# KiCad board Nodes.kicad_pcb (continued)
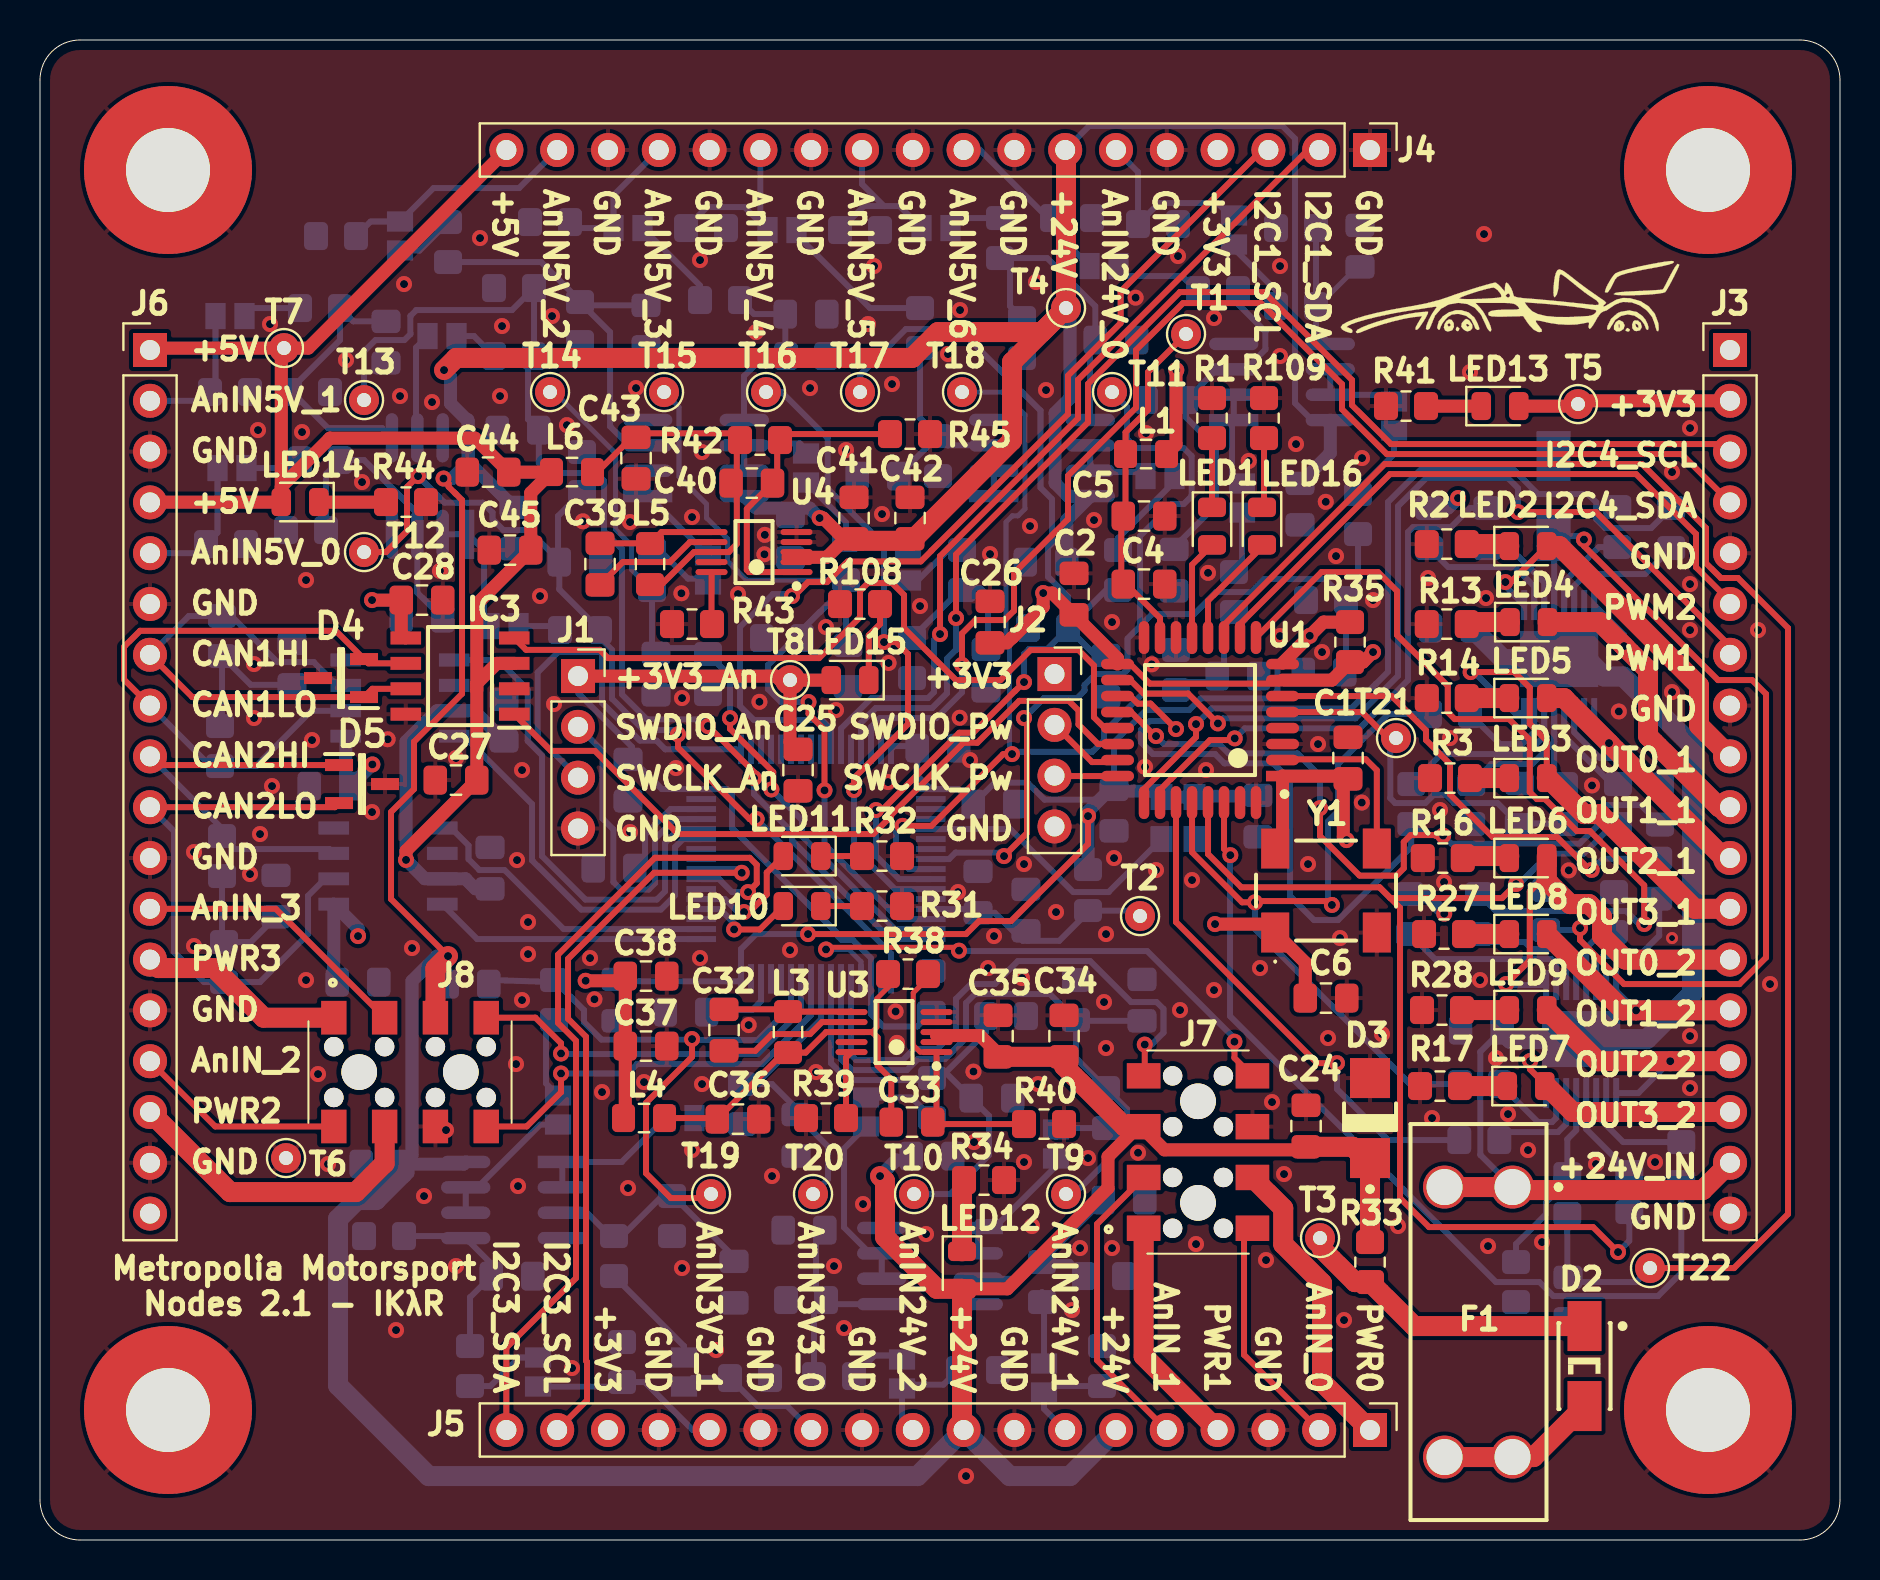
[diagram p0: board, top side]
## Placement (name value [footprint] x y rotation side) (continued)
R86  CRCW08050000ZSTA  [R_0805_2012Metric_Pad1.20x1.40mm_HandSolder]  48 65.1 270 bottom
R87  CRCW0805680RFKEA  [R_0805_2012Metric_Pad1.20x1.40mm_HandSolder]  44.9 54.2 270 bottom
R88  ERJ-6ENF1741V  [R_0805_2012Metric_Pad1.20x1.40mm_HandSolder]  46.1 48.5 270 bottom
R89  CRCW0805680RFKEA  [R_0805_2012Metric_Pad1.20x1.40mm_HandSolder]  49.1 60.1 270 bottom
R90  ERJ-6ENF1741V  [R_0805_2012Metric_Pad1.20x1.40mm_HandSolder]  53.9 48.5 270 bottom
R91  CRCW080510M0FKEA  [R_0805_2012Metric_Pad1.20x1.40mm_HandSolder]  33.3 65.6 0 bottom
R92  CRCW080510M0FKEA  [R_0805_2012Metric_Pad1.20x1.40mm_HandSolder]  41 65.5 0 bottom
R93  ERJ-6ENF3241V  [R_0805_2012Metric_Pad1.20x1.40mm_HandSolder]  43.6 44.1 270 bottom
R94  ERJ-6ENF3241V  [R_0805_2012Metric_Pad1.20x1.40mm_HandSolder]  50.4 45.6 180 bottom
R95  CRCW08050000ZSTA  [R_0805_2012Metric_Pad1.20x1.40mm_HandSolder]  58.9 62.5 0 bottom
R96  ERJ-6ENF1741V  [R_0805_2012Metric_Pad1.20x1.40mm_HandSolder]  59.7 47.4 270 bottom
R97  CRCW080510M0FKEA  [R_0805_2012Metric_Pad1.20x1.40mm_HandSolder]  51.6 66.1 0 bottom
R98  CRCW0805680RFKEA  [R_0805_2012Metric_Pad1.20x1.40mm_HandSolder]  56.3 57 180 bottom
R99  ERJ-6ENF3241V  [R_0805_2012Metric_Pad1.20x1.40mm_HandSolder]  56.8 43.5 90 bottom
R100  CRCW08050000ZSTA  [R_0805_2012Metric_Pad1.20x1.40mm_HandSolder]  28.7 14.2 90 bottom
R101  CRCW08050000ZSTA  [R_0805_2012Metric_Pad1.20x1.40mm_HandSolder]  21.5 8.7 90 bottom
R102  ESR10EZPJ102  [R_0805_2012Metric_Pad1.20x1.40mm_HandSolder]  25.7 27 90 bottom
R103  CRCW0805680RFKEA  [R_0805_2012Metric_Pad1.20x1.40mm_HandSolder]  31.6 16.2 270 bottom
R104  CRCW0805680RFKEA  [R_0805_2012Metric_Pad1.20x1.40mm_HandSolder]  17.2 15.2 180 bottom
R105  ESR10EZPJ102  [R_0805_2012Metric_Pad1.20x1.40mm_HandSolder]  35.1 21.8 90 bottom
R106  CRCW080510M0FKEA  [R_0805_2012Metric_Pad1.20x1.40mm_HandSolder]  35.5 8.1 0 bottom
R107  CRCW080510M0FKEA  [R_0805_2012Metric_Pad1.20x1.40mm_HandSolder]  29.1 8.9 90 bottom
R108  ESR10EZPJ301  [R_0805_2012Metric_Pad1.20x1.40mm_HandSolder]  41 46.8 180 top
R109  ESR10EZPJ301  [R_0805_2012Metric_Pad1.20x1.40mm_HandSolder]  61.2 56.1 90 top
T1  Conn_01x01  [TestPoint_THTPad_D1.5mm_Drill0.7mm]  57.3 60.3 0 top
T2  Conn_01x01  [TestPoint_THTPad_D1.5mm_Drill0.7mm]  55 31.2 0 top
T3  Conn_01x01  [TestPoint_THTPad_D1.5mm_Drill0.7mm]  64 15.1 180 top
T4  Conn_01x01  [TestPoint_THTPad_D1.5mm_Drill0.7mm]  51.3 61.6 180 top
T5  Conn_01x01  [TestPoint_THTPad_D1.5mm_Drill0.7mm]  76.9 56.8 0 top
T6  Conn_01x01  [TestPoint_THTPad_D1.5mm_Drill0.7mm]  12.3 19.1 180 top
T7  Conn_01x01  [TestPoint_THTPad_D1.5mm_Drill0.7mm]  12.2 59.6 0 top
T8  Conn_01x01  [TestPoint_THTPad_D1.5mm_Drill0.7mm]  37.5 43 0 top
T9  Conn_01x01  [TestPoint_THTPad_D1.5mm_Drill0.7mm]  51.3 17.3 0 top
T10  Conn_01x01  [TestPoint_THTPad_D1.5mm_Drill0.7mm]  43.7 17.3 0 top
T11  Conn_01x01  [TestPoint_THTPad_D1.5mm_Drill0.7mm]  53.6 57.4 0 top
T12  Conn_01x01  [TestPoint_THTPad_D1.5mm_Drill0.7mm]  16.2 49.4 90 top
T13  Conn_01x01  [TestPoint_THTPad_D1.5mm_Drill0.7mm]  16.2 57 90 top
T14  Conn_01x01  [TestPoint_THTPad_D1.5mm_Drill0.7mm]  25.5 57.4 180 top
T15  Conn_01x01  [TestPoint_THTPad_D1.5mm_Drill0.7mm]  31.2 57.4 180 top
T16  Conn_01x01  [TestPoint_THTPad_D1.5mm_Drill0.7mm]  36.3 57.4 0 top
T17  Conn_01x01  [TestPoint_THTPad_D1.5mm_Drill0.7mm]  41 57.4 0 top
T18  Conn_01x01  [TestPoint_THTPad_D1.5mm_Drill0.7mm]  46.1 57.4 0 top
T19  Conn_01x01  [TestPoint_THTPad_D1.5mm_Drill0.7mm]  33.55 17.3 0 top
T20  Conn_01x01  [TestPoint_THTPad_D1.5mm_Drill0.7mm]  38.65 17.3 180 top
T21  Conn_01x01  [TestPoint_THTPad_D1.5mm_Drill0.7mm]  67.8 40.1 0 top
T22  Conn_01x01  [TestPoint_THTPad_D1.5mm_Drill0.7mm]  80.5 13.6 0 top
U1  STM32G431KBT6  [FP-LQFP32-5V-IPC_B]  58 41 180 top
U2  STM32H7B0RBT6  [QFP50P1200X1200X160-64N]  38.8 33.8 180 bottom
U3  LT3970EMS#TRPBF  [LT-MS-10_N]  42.7 25.4 180 top
U4  LT3970EMS#TRPBF  [LT-MS-10_N]  35.7 49.4 180 top
U5  LM358BAIDR  [FP-D0008A-IPC_A]  44.5 13.7 180 bottom
U6  LM358BAIDR  [FP-D0008A-IPC_A]  62.1 57.9 0 bottom
U7  LM358BAIDR  [FP-D0008A-IPC_A]  19.5 52.7 90 bottom
U8  LM358BAIDR  [FP-D0008A-IPC_A]  32.8 54.1 0 bottom
U9  LM358BAIDR  [FP-D0008A-IPC_A]  50.1 54.1 0 bottom
U10  LM358BAIDR  [FP-D0008A-IPC_A]  23.7 17 180 bottom
Y1  ECS-7050MV-080-BN-TR  [ECS7050MV080BNTR]  64.3 32.47 0 top
Y2  ASE-25.000MHZ-LC-T  [FP-ASE-MFG]  56.9 36.1 270 bottom

## Library data of the parts
C1 C2 C6-C10 C12-C15 C17 C20 C25-C28 C47 C48 C52 C53 C56 C63 C68 C73 C78 C81 = -: ALTIUM_VALUE: 100nF; CAPACITOR TYPE: Ceramic; CASE/PACKAGE: 0805; DIELECTRIC MATERIAL: Ceramic; HEIGHT: 0.94mm; JESD-609 CODE: e3; LENGTH: 2.01mm; MAX OPERATING TEMPERATURE: 125°C; MIN OPERATING TEMPERATURE: -55°C; MOUNTING TECHNOLOGY: Surface Mount; MULTILAYER: Yes; PACKAGE SHAPE: Rectangular; PACKAGE STYLE: SMTMeter; PACKAGING: Tape and Reel; PINS: 2; RATED DC VOLTAGE (URDC): 50V; REACH SVHC COMPLIANT: Yes; ROHS COMPLIANT: Yes; TEMPERATURE CHARACTERISTICS CODE: X7R; TERMINAL FINISH: Nickel; TERMINATION: Wraparound; TOLERANCE  (FILL IN AS +-): 10%; TOLERANCE (FILL IN AS +-): 10%; WIDTH: 1.25mm; ki_fp_filters: C_*
C4 C22 C57-C62 C64-C67 C69-C72 C74-C77 C79 C80 C82-C85 = -: ALTIUM_VALUE: 10nF; CAPACITOR TYPE: Ceramic; CASE/PACKAGE: 0805; DIELECTRIC MATERIAL: Ceramic; HEIGHT: 0.78mm; JESD-609 CODE: e3; LENGTH: 2mm; MAX OPERATING TEMPERATURE: 125°C; MIN OPERATING TEMPERATURE: -55°C; MOUNTING TECHNOLOGY: Surface Mount; MULTILAYER: Yes; PACKAGE SHAPE: Rectangular; PACKAGE STYLE: SMTMeter; PACKAGING: Tape and Reel; PINS: 2; RATED DC VOLTAGE (URDC): 250V; REACH SVHC COMPLIANT: Yes; REFERENCE STANDARD: AEC-Q200; ROHS COMPLIANT: Yes; TEMPERATURE CHARACTERISTICS CODE: X7R; TERMINAL FINISH: Nickel; TERMINATION: Wraparound; TOLERANCE  (FILL IN AS +-): 10%; TOLERANCE (FILL IN AS +-): 10%; WIDTH: 1.25mm; ki_fp_filters: C_*
C5 C16 C21 = -: ALTIUM_VALUE: 1µF; CAPACITOR TYPE: Ceramic; CASE/PACKAGE: 0805; DIELECTRIC MATERIAL: Ceramic; HEIGHT: 1.4mm; JESD-609 CODE: e3; LENGTH: 2.01mm; MAX OPERATING TEMPERATURE: 125°C; MIN OPERATING TEMPERATURE: -55°C; MOUNTING TECHNOLOGY: Surface Mount; MULTILAYER: Yes; PACKAGE SHAPE: Rectangular; PACKAGE STYLE: SMTMeter; PACKAGING: Tape and Reel; PINS: 2; RATED DC VOLTAGE (URDC): 25V; REACH SVHC COMPLIANT: Yes; REFERENCE STANDARD: AEC-Q200; ROHS COMPLIANT: Yes; TEMPERATURE CHARACTERISTICS CODE: X7R; TERMINAL FINISH: Nickel; TERMINATION: Wraparound; TOLERANCE  (FILL IN AS +-): 10%; TOLERANCE (FILL IN AS +-): 10%; WIDTH: 1.25mm; ki_fp_filters: C_*
C18 C23 C35 C37 C42 C44 = -: ALTIUM_VALUE: 2.2uF; ki_fp_filters: C_*
C24 C34 C41 = -: ALTIUM_VALUE: 4.7µF; CAPACITOR TYPE: Ceramic; CASE/PACKAGE: 0805; DIELECTRIC MATERIAL: Ceramic; JESD-609 CODE: e3; MAX OPERATING TEMPERATURE: 125°C; MIN OPERATING TEMPERATURE: -55°C; MOUNTING TECHNOLOGY: Surface Mount; MULTILAYER: Yes; PACKAGE SHAPE: Rectangular; PACKAGING: Tape and Reel; PINS: 2; RATED DC VOLTAGE (URDC): 50V; REACH SVHC COMPLIANT: Yes; ROHS COMPLIANT: Yes; TEMPERATURE CHARACTERISTICS CODE: X7R; TERMINAL FINISH: Nickel; TERMINATION: Wraparound; TOLERANCE  (FILL IN AS +-): 10%; TOLERANCE (FILL IN AS +-): 10%; ki_fp_filters: C_*
C32 C39 = -: ALTIUM_VALUE: 220nF; CAPACITOR TYPE: Ceramic; DIELECTRIC MATERIAL: Ceramic; JESD-609 CODE: e3; PINS: 2; REACH SVHC COMPLIANT: Yes; ROHS COMPLIANT: Yes; TERMINAL FINISH: Nickel; ki_fp_filters: C_*
C33 C40 = -: ALTIUM_VALUE: 22 pF; AUTOMOTIVE: No; CAPACITANCE: 22 pF; CATEGORY: Cap; COMPONENTLINK2DESCRIPTION: Datasheet; COMPONENTLINK2URL: https://content.kemet.com/datasheets/KEM_C1003_C0G_SMD.pdf; DEVICE CLASS L1: Passive Components; DEVICE CLASS L2: Capacitors; DEVICE CLASS L3: Ceramic Capacitors; DIGIKEY DESCRIPTION: CAP CER 22PF 25V 10% NP0 0805; HEIGHT: 0.88mm; IPC LAND PATTERN NAME: CAPC200125X78; LEAD FREE: Yes; MANUFACTURER: KEMET; MATERIAL: Ceramic; MOUSER DESCRIPTION: Multilayer Ceramic Capacitors MLCC - SMD/SMT 25volts 22pF C0G 10%; OCTOPART: https://octopart.com/c0805c220k3gactu-kemet-12580612; PACKAGE: C0805C-DN; ROHS: TRUE; TEMPERATURE: -55°C to +125°C; TEMPERATURE CHARACTERISTIC: C0G; TEMPERATURE COEFFICIENT: 30ppm/°C; TEMPERATURE RANGE HIGH: +125°C; TEMPERATURE RANGE LOW: -55°C; TOLERANCE: 0.1; VOLTAGE RATING: 25 V; ki_fp_filters: C_*
C36 C38 C43 C45 = -: CAPACITANCE: 22uF; CASE CODE (IMPERIAL): 0805; CASE CODE (METRIC): 2012; CASE/PACKAGE: 0805; DEPTH: 1.25mm; DIELECTRIC: X5R; HEIGHT: 1.25mm; LEAD FREE: Lead Free; LENGTH: 2mm; MATERIAL: Ceramic; MAX OPERATING TEMPERATURE: 85°C; MIN OPERATING TEMPERATURE: -55°C; MOUNT: Surface Mount; PACKAGE QUANTITY: 3000; PACKAGING: Tape and Reel; REACH SVHC: No SVHC; RESISTOR TYPE: Ceramic; TERMINATION: SMD/SMT; THICKNESS: 0.057inch; TOLERANCE: 20%; VOLTAGE: 25V; VOLTAGE RATING: 25V; VOLTAGE RATING (DC): 25V; WEIGHT: 0.000335oz; WIDTH: 1.25mm; ki_fp_filters: C_*
C49 C54 = -: ALTIUM_VALUE: 4.7nF; CAPACITOR TYPE: Ceramic; CASE/PACKAGE: 0805; DIELECTRIC MATERIAL: Ceramic; HEIGHT: 0.85mm; LENGTH: 2mm; MAX OPERATING TEMPERATURE: 125°C; MIN OPERATING TEMPERATURE: -55°C; MOUNTING TECHNOLOGY: Surface Mount; MULTILAYER: Yes; PACKAGE STYLE: SMTMeter; PACKAGING: Tape and Reel; PINS: 2; RATED DC VOLTAGE (URDC): 500V; REACH SVHC COMPLIANT: Yes; REFERENCE STANDARD: AEC-Q200; ROHS COMPLIANT: Yes; TEMPERATURE CHARACTERISTICS CODE: X7R; TERMINATION: Wraparound; TOLERANCE  (FILL IN AS +-): 10%; TOLERANCE (FILL IN AS +-): 10%; WIDTH: 1.25mm; ki_fp_filters: C_*
D1 D2 = -: ADDITIONAL FEATURE: HIGH RELIABILITY; DIODE ELEMENT MATERIAL: SILICON; DIODE TYPE: RECTIFIER; FORWARD VOLTAGE: 1.1V; JESD-30 CODE: R-PDSO-C2; JESD-609 CODE: e3; MAX OPERATING TEMPERATURE: 150°C; MAX OUTPUT CURRENT: 1A; MIN OPERATING TEMPERATURE: -65°C; MOISTURE SENSITIVITY LEVEL: 1; NON-REP PK FORWARD CURRENT-MAX: 30A; NUMBER OF ELEMENTS: 1; PACKAGE BODY MATERIAL: Plastic; PACKAGE SHAPE: Rectangular; PACKAGE STYLE: SMALL OUTLINEMeter; PEAK REFLOW TEMPERATURE (CEL): 260°C; PINS: 2; QUALIFICATION STATUS: Not Qualified; REACH SVHC COMPLIANT: No; REP PK REVERSE VOLTAGE-MAX: 1kV; REVERSE RECOVERY TIME-MAX: 3us; ROHS COMPLIANT: Yes; SURFACE MOUNT: Yes; TERMINAL FINISH: Tin; TERMINAL FORM: C BEND; TERMINAL POSITION: DUAL; TIME @ PEAK REFLOW TEMPERATURE-MAX (S): 40s; ki_fp_filters: DIOD-S1M-13-F-SMA-2_V
D3 = -: COMPONENTLINK1DESCRIPTION: Manufacturer URL; COMPONENTLINK1URL: http://www.onsemi.com/; COMPONENTLINK2DESCRIPTION: Datasheet; COMPONENTLINK2URL: http://www.onsemi.com/pub_link/Collateral/1SMA5913BT3-D.PDF; COMPONENTLINK3DESCRIPTION: Package Specification; COMPONENTLINK3URL: http://www.onsemi.com/pub_link/Collateral/1SMA5913BT3-D.PDF; DATASHEETVERSION: Rev. 8; MANUFACTURER: On Semiconductor; MOUNTING TECHNOLOGY: Surface Mount; PACKAGEDESCRIPTION: 2-Pin Small Molded Package, J-Bend Lead, Body 2.605 x 4.315 mm; PACKAGEREFERENCE: SMA-2-403D-02_F; PACKAGEVERSION: Rev. F, 11/2008; PACKING: Tape and Reel; ROHS: Pb-Free; VZ TYP (V): 24; ki_fp_filters: ONSC-SMA-2-403D-02_F_V
D4 D5 = -: Datasheet: https://www.st.com/resource/en/datasheet/esdcan24-2bly.pdf; Description: TVS Diode Array Bi-Directional ESDCAN24-2BLY Dual 40V, 230W, SOT23-3L 3-Pin; Height: 1.25; Mouser Part Number: 511-ESDCAN24-2BLY; Mouser Price/Stock: https://www.mouser.co.uk/ProductDetail/STMicroelectronics/ESDCAN24-2BLY?qs=gNDSiZmRJS9IbRDJThIoAw%3D%3D; Manufacturer_Name: STMicroelectronics
F1 = -: CATEGORY: CircuitProtection; CONTACT FINISH: TinNickel; CONTACT MATERIAL: Brass; CURRENT RATING: 30A; DATASHEET URL: http://datasheet.octopart.com/3557-2-Keystone-datasheet-15715937.pdf; DATASHEET VERSION: Apr-13; FAMILY: Fuseholders; FOR USE WITH/RELATED PRODUCTS: ATC,ATO257,MINI897; FUSE SIZE: 0.43"Lx0.15"Wx0.64"H(10.92mmx3.81mmx16.25mm); FUSE TYPE: Blade; FUSEHOLDER TYPE: Block; MANUFACTURER: Keystone-Electronics; MANUFACTURER URL: http://www.keyelco.com/; MOUNTING TYPE: PCB; NUMBER OF CIRCUITS: 1; ORIENTATION: Vertical; SERIES: -; TERMINATION STYLE: PCPin; VOLTAGE: 500V; ki_fp_filters: KSTN-3557-2
IC1 IC2 = -: DATASHEET LINK: https://www.st.com/resource/en/datasheet/vnq9080aj.pdf; HEIGHT: 1.7mm; MANUFACTURER_NAME: STMicroelectronics; MOUSER PART NUMBER: 511-VNQ9080AJTR; MOUSER PRICE/STOCK: https://www.mouser.co.uk/ProductDetail/STMicroelectronics/VNQ9080AJTR?qs=MyNHzdoqoQKvlnwVdNzF7A%3D%3D; ki_fp_filters: C:_Users_Public_Documents_Altium_PCB_Project_SamacSys.PcbLib_SOP50P600X170-17N
IC3-IC5 = -: DATASHEET LINK: https://www.ti.com/general/docs/suppproductinfo.tsp?distId=26&gotoUrl=https://www.ti.com/lit/gpn/tcan1462-q1; HEIGHT: 1.75mm; MANUFACTURER_NAME: Texas Instruments; MOUSER PART NUMBER: 595-TCAN1462VDRQ1; MOUSER PRICE/STOCK: https://www.mouser.co.uk/ProductDetail/Texas-Instruments/TCAN1462VDRQ1?qs=rQFj71Wb1eU28cwJFt9kYg%3D%3D; ki_fp_filters: C:_Users_Public_Documents_Altium_PCB_Project_SamacSys.PcbLib_SOIC127P600X175-8N
J1-J6 = -: ki_fp_filters: Connector*:*_1x??_*
J7 J8 = -: ARROW PRICE/STOCK: https://www.arrow.com/en/products/hle-104-02-l-dv-be-a-p-tr/samtec; DATASHEET LINK: http://suddendocs.samtec.com/prints/hle-1xx-02-xxx-dv-xx-xx-xx-mkt.pdf; MANUFACTURER_NAME: SAMTEC; ki_fp_filters: C:_Users_Public_Documents_Altium_PCB_Project_SamacSys.PcbLib_HLE-104-02-XXX-DV-BE-A-P-TR
L1 L2 L4 L6 = -: ALTIUM_VALUE: 330nH; CHANNELS: 1; CORE MATERIAL: Ferrite; DC RESISTANCE (DCR): 24mR; INDUCTANCE-NOM (L): 0.33uH; INDUCTOR APPLICATION: RF INDUCTOR; INDUCTOR TYPE: GENERAL PURPOSE INDUCTOR; MAX CURRENT RATING: 4A; MAX OPERATING TEMPERATURE: 125°C; MIN OPERATING TEMPERATURE: -40°C; PINS: 2; REACH SVHC COMPLIANT: Yes; ROHS COMPLIANT: Yes; SHAPE/SIZE DESCRIPTION: RECTANGULAR PACKAGE; SHIELDING: Shielded; SURFACE MOUNT: Yes; TERMINAL PLACEMENT: Dual Ended; TERMINATION: One Surface; TEST FREQUENCY: 2MHz; TOLERANCE: 20%; ki_fp_filters: Choke_* *Coil* Inductor_* L_*
L3 L5 = -: ALTIUM_VALUE: 22uH; CHANNELS: 1; CORE MATERIAL: Ferrite; DC RESISTANCE (DCR): 0.67R; INDUCTANCE-NOM (L): 22uH; INDUCTOR APPLICATION: RF INDUCTOR; INDUCTOR TYPE: GENERAL PURPOSE INDUCTOR; MAX CURRENT RATING: 300mA; MAX OPERATING TEMPERATURE: 125°C; MIN OPERATING TEMPERATURE: -55°C; PINS: 2; REACH SVHC COMPLIANT: Yes; ROHS COMPLIANT: Yes; SELF RESONANT FREQUENCY: 20MHz; SHAPE/SIZE DESCRIPTION: RECTANGULAR PACKAGE; SHIELDING: Shielded; SURFACE MOUNT: Yes; TERMINAL PLACEMENT: Dual Ended; TERMINATION: One Surface; TEST FREQUENCY: 2MHz; TOLERANCE: 20%; ki_fp_filters: Choke_* *Coil* Inductor_* L_*
L7-L30 = -: CASE CODE (IMPERIAL): 0805; CASE CODE (METRIC): 2012; CASE/PACKAGE: 0805; CORE MATERIAL: Ferrite; CURRENT RATING: 900mA; DC CURRENT: 900mA; DC RESISTANCE (DCR): 125mR; DEPTH: 1.4mm; HEIGHT: 0.9mm; HEIGHT - SEATED (MAX): 0.039inch; INDUCTANCE: 1uH; LEAD FREE: Lead Free; LENGTH: 0.079inch; MAX DC CURRENT: 900mA; MAX OPERATING TEMPERATURE: 125°C; MILITARY STANDARD: Not; MIN OPERATING TEMPERATURE: -55°C; MOUNT: Surface Mount; PACKAGE QUANTITY: 4000; PACKAGING: Tape and Reel; ROHS COMPLIANT: Yes; SELF RESONANT FREQUENCY: 50MHz; SERIES: LQM21P_GC; SHIELDING: Shielded; TERMINATION: SMD/SMT; TEST FREQUENCY: 1MHz; TOLERANCE: 30%; WIDTH: 0.049inch; ki_fp_filters: Choke_* *Coil* Inductor_* L_*
LED1 LED10 LED11 = -: AMBIENT TEMPERATURE RANGE HIGH: +85°C; AMBIENT TEMPERATURE RANGE LOW: -30°C; AUTOMOTIVE: No; CATEGORY: Diode; COLOUR: Red; COMPONENTLINK2DESCRIPTION: Datasheet; COMPONENTLINK2URL: https://media.digikey.com/pdf/Data%20Sheets/Rohm%20PDFs/sml-210.pdf; DEVICE CLASS L1: Optoelectronics; DEVICE CLASS L2: LEDs; DEVICE CLASS L3: unset; DIGIKEY DESCRIPTION: LED RED CLEAR 0805 SMD; FOOTPRINT URL: https://eu.mouser.com/datasheet/2/348/sml-21-313092.pdf; FORWARD CURRENT: 20mA; FORWARD VOLTAGE: 2V; HEIGHT: 0.9mm; LEAD FREE: Yes; LED ORIENTATION: Top View; LUMINOUS INTENSITY: 4mcd; MANUFACTURER: ROHM; MOUSER DESCRIPTION: Standard LEDs - SMD RED SMD TRANS LENS; OBSOLETE PART: true; OCTOPART: https://octopart.com/sml-210vtt86-rohm-550728; PACKAGE: SML-21; PEAK EMMISION WAVELENGTH: 650nm; POWER DISSIPATION: 70mW; REVERSE VOLTAGE: 4V; ROHS: TRUE; TEMPERATURE: -30°C to +85°C; TEMPERATURE RANGE HIGH: +85°C; TEMPERATURE RANGE LOW: -30°C; WAVELENGTH: 630nm; ki_fp_filters: LED* LED_SMD:* LED_THT:*
LED2 LED6 = -: COLOUR: Orange; DATASHEET LINK: https://datasheet.datasheetarchive.com/originals/distributors/DKDS-18/357140.pdf; HEIGHT: 0.9mm; MANUFACTURER_NAME: ROHM Semiconductor; MOUSER PART NUMBER: 755-SML-H12D8TT86; MOUSER PRICE/STOCK: https://www.mouser.co.uk/ProductDetail/ROHM-Semiconductor/SML-H12D8TT86?qs=SP2aZMzhwxiz9%252BUGDYiyAA%3D%3D; ki_fp_filters: LED* LED_SMD:* LED_THT:*
LED3 LED7 = -: COLOUR: Blue; DATASHEET LINK: https://datasheet.lcsc.com/lcsc/1912111437_Yongyu-Photoelectric-SZYY0805B_C434433.pdf; HEIGHT: 0.95mm; MANUFACTURER_NAME: Yongyu; MANUFACTURER_PART_NUMBER: SZYY0805B; ki_fp_filters: LED* LED_SMD:* LED_THT:*
LED4 LED8 LED13 = -: COLOUR: Yellow; DATASHEET LINK: https://componentsearchengine.com/Datasheets/2/SML-210YTT86M.pdf; HEIGHT: 0.9mm; MANUFACTURER_NAME: ROHM Semiconductor; ki_fp_filters: LED* LED_SMD:* LED_THT:*
LED5 LED9 LED14 = -: COLOUR: Green; DATASHEET LINK: https://datasheet.datasheetarchive.com/originals/distributors/DKDS-18/357140.pdf; HEIGHT: 0.9mm; MANUFACTURER_NAME: ROHM Semiconductor; MOUSER PART NUMBER: 755-SML-H12P8TT86; MOUSER PRICE/STOCK: https://www.mouser.co.uk/ProductDetail/ROHM-Semiconductor/SML-H12P8TT86?qs=SP2aZMzhwxg2feSvqoCMzQ%3D%3D; ki_fp_filters: LED* LED_SMD:* LED_THT:*
LED12 = -: COLOUR: White; DATASHEET LINK: https://componentsearchengine.com/Datasheets/1/SMLMN2WB1CW1.pdf; HEIGHT: 1mm; MANUFACTURER_NAME: ROHM Semiconductor; MOUSER PART NUMBER: 755-SMLMN2WB1CW1C; MOUSER PRICE/STOCK: https://www.mouser.co.uk/ProductDetail/ROHM-Semiconductor/SMLMN2WB1CW1?qs=HXFqYaX1Q2xViTuJn4O8Qw%3D%3D; ki_fp_filters: LED* LED_SMD:* LED_THT:*
LED15 = -: DATASHEET LINK: https://datasheet.lcsc.com/lcsc/1912111437_Yongyu-Photoelectric-SZYY0805B_C434433.pdf; HEIGHT: 0.95mm; MANUFACTURER_NAME: Yongyu; MANUFACTURER_PART_NUMBER: SZYY0805B; COLOUR: Blue; ki_fp_filters: LED* LED_SMD:* LED_THT:*
LED16 = -: DEVICE CLASS L1: Optoelectronics; OBSOLETE PART: true; AMBIENT TEMPERATURE RANGE LOW: -30°C; TEMPERATURE RANGE HIGH: +85°C; DEVICE CLASS L2: LEDs; CATEGORY: Diode; COMPONENTLINK2DESCRIPTION: Datasheet; MANUFACTURER: ROHM; MOUSER DESCRIPTION: Standard LEDs - SMD RED SMD TRANS LENS; AMBIENT TEMPERATURE RANGE HIGH: +85°C; WAVELENGTH: 630nm; PEAK EMMISION WAVELENGTH: 650nm; LUMINOUS INTENSITY: 4mcd; DIGIKEY DESCRIPTION: LED RED CLEAR 0805 SMD; TEMPERATURE: -30°C to +85°C; FORWARD VOLTAGE: 2V; FOOTPRINT URL: https://eu.mouser.com/datasheet/2/348/sml-21-313092.pdf; FORWARD CURRENT: 20mA; POWER DISSIPATION: 70mW; REVERSE VOLTAGE: 4V; COMPONENTLINK2URL: https://media.digikey.com/pdf/Data%20Sheets/Rohm%20PDFs/sml-210.pdf; LEAD FREE: Yes; OCTOPART: https://octopart.com/sml-210vtt86-rohm-550728; DEVICE CLASS L3: unset; PACKAGE: SML-21; AUTOMOTIVE: No; LED ORIENTATION: Top View; ROHS: TRUE; HEIGHT: 0.9mm; TEMPERATURE RANGE LOW: -30°C; COLOUR: Red; ki_fp_filters: LED* LED_SMD:* LED_THT:*
R1 R31 R32 R41 = -: CASE CODE (IMPERIAL): 0805; CASE CODE (METRIC): 2012; CASE/PACKAGE: 0805; FEATURES: Automotive AEC-Q200; HEIGHT: 0.026inch; HEIGHT - SEATED (MAX): 0.026inch; LEAD FREE: Lead Free; LENGTH: 0.079inch; MAX OPERATING TEMPERATURE: 155°C; MAX POWER DISSIPATION: 400mW; MIN OPERATING TEMPERATURE: -55°C; NUMBER OF TERMINATIONS: 2; PACKAGE QUANTITY: 1; PACKAGING: Tape and Reel; POWER RATING: 400mW; RESISTANCE: 300R; RESISTOR TYPE: Thick Film; ROHS COMPLIANT: Yes; SERIES: ESR; SIZE CODE: 0805; TEMPERATURE COEFFICIENT: 200ppm/°C; TOLERANCE: 5%; WIDTH: 0.049inch; ki_fp_filters: R_*
R2 R3 R13 R14 R16 R17 R27 R28 R34 = -: ALTIUM_VALUE: 5.49kR; AUTOMOTIVE: Yes; AUTOMOTIVE GRADE: Grade 0; CATEGORY: Res; COMPONENTLINK2DESCRIPTION: Datasheet; COMPONENTLINK2URL: http://www.yageo.com/documents/recent/PYu-AC_51_RoHS_L_6.pdf; COMPOSITION: Thick Film; DEVICE CLASS L1: Passive Components; DEVICE CLASS L2: Resistors; DEVICE CLASS L3: Chip SMD Resistors; DIGIKEY DESCRIPTION: Res SMD 5.49K Ohm 1% 1/8W 0805; FOOTPRINT URL: http://www.yageo.com/exep/pages/download/literatures/PYu-R_Mount_10.pdf; HEIGHT: 0.6mm; IPC LAND PATTERN NAME: RESC200125X50; LEAD FREE: Yes; MANUFACTURER: Yageo; OCTOPART: https://octopart.com/ac0805fr-075k49l-yageo-71367778; PACKAGE: AC0805; POWER RATING: 1/8W; RESISTANCE: 5.49KΩ; ROHS: TRUE; SERIES: AC; TEMPERATURE: -55°C to +155°C; TEMPERATURE RANGE HIGH: +155°C; TEMPERATURE RANGE LOW: -55°C; TOLERANCE: 0.01; VOLTAGE RATING: 150V; ki_fp_filters: R_*
R4 R5 R7-R12 R18 R19 R21-R26 = -: ADDITIONAL FEATURE: HIGH PRECISION; ALTIUM_VALUE: 15kR; CASE/PACKAGE: 0805; CONSTRUCTION: Chip; MAX OPERATING TEMPERATURE: 155°C; MIN OPERATING TEMPERATURE: -55°C; MOUNTING TECHNOLOGY: Surface Mount; PACKAGE HEIGHT: 0.5mm; PACKAGE LENGTH: 2mm; PACKAGE STYLE: SMTMeter; PACKAGE WIDTH: 1.25mm; PACKAGING: Tape and Reel; PINS: 2; POWER: 125mW; RATED TEMPERATURE: 70°C; REACH SVHC COMPLIANT: Yes; RESISTOR TYPE: FIXED RESISTOR; ROHS COMPLIANT: Yes; TECHNOLOGY: THIN FILM; TEMPERATURE COEFFICIENT: 50ppm/°C; TERMINATION: Wraparound; TOLERANCE: 0.25%; WORKING VOLTAGE: 150V; ki_fp_filters: R_*
R6 R20 = -: ALTIUM_VALUE: 2.2kR; CASE/PACKAGE: 0805; CONSTRUCTION: Chip; JESD-609 CODE: e3; MAX OPERATING TEMPERATURE: 155°C; MIN OPERATING TEMPERATURE: -55°C; MOUNTING TECHNOLOGY: Surface Mount; PACKAGE HEIGHT: 0.5mm; PACKAGE LENGTH: 2mm; PACKAGE SHAPE: Rectangular; PACKAGE STYLE: SMTMeter; PACKAGE WIDTH: 1.25mm; PACKAGING: Tape and Reel; PINS: 2; POWER: 125mW; RATED TEMPERATURE: 70°C; REACH SVHC COMPLIANT: Yes; RESISTOR TYPE: FIXED RESISTOR; ROHS COMPLIANT: Yes; TECHNOLOGY: RUTHENIUM OXIDE; TEMPERATURE COEFFICIENT: 100ppm/°C; TERMINAL FINISH: Nickel; TERMINATION: Wraparound; TOLERANCE: 1%; WORKING VOLTAGE: 150V; ki_fp_filters: R_*
R15 R29 R102 R105 = -: ALTIUM_VALUE: 1kR; CASE/PACKAGE: 0805; CONSTRUCTION: Chip; JESD-609 CODE: e3; MAX OPERATING TEMPERATURE: 155°C; MIN OPERATING TEMPERATURE: -55°C; MOUNTING TECHNOLOGY: Surface Mount; PACKAGE HEIGHT: 0.55mm; PACKAGE LENGTH: 2mm; PACKAGE SHAPE: Rectangular; PACKAGE STYLE: SMTMeter; PACKAGE WIDTH: 1.25mm; PACKAGING: Tape and Reel; PINS: 2; POWER: 400mW; RATED TEMPERATURE: 70°C; REACH SVHC COMPLIANT: Yes; REFERENCE STANDARD: TS 16949; RESISTOR TYPE: FIXED RESISTOR; ROHS COMPLIANT: Yes; TECHNOLOGY: METAL GLAZE/THICK FILM; TEMPERATURE COEFFICIENT: 200ppm/°C; TERMINAL FINISH: Nickel; TERMINATION: Wraparound; TOLERANCE: 5%; WORKING VOLTAGE: 150V; ki_fp_filters: R_*
R30 = -: ADDITIONAL FEATURE: HIGH PRECISION; ALTIUM_VALUE: 4.7kR; CASE/PACKAGE: 0805; CONSTRUCTION: Chip; MAX OPERATING TEMPERATURE: 155°C; MIN OPERATING TEMPERATURE: -55°C; MOUNTING TECHNOLOGY: Surface Mount; PACKAGE HEIGHT: 0.5mm; PACKAGE LENGTH: 2mm; PACKAGE STYLE: SMTMeter; PACKAGE WIDTH: 1.25mm; PACKAGING: Tape and Reel; PINS: 2; POWER: 125mW; RATED TEMPERATURE: 70°C; REACH SVHC COMPLIANT: Yes; RESISTOR TYPE: FIXED RESISTOR; ROHS COMPLIANT: Yes; TECHNOLOGY: THIN FILM; TEMPERATURE COEFFICIENT: 50ppm/°C; TERMINATION: Wraparound; TOLERANCE: 0.5%; WORKING VOLTAGE: 150V; ki_fp_filters: R_*
R33 R35 = -: ALTIUM_VALUE: 10mR; CASE/PACKAGE: 0805; CONSTRUCTION: Rectangular; JESD-609 CODE: e3; MAX OPERATING TEMPERATURE: 170°C; MIN OPERATING TEMPERATURE: -65°C; MOUNTING TECHNOLOGY: Surface Mount; PACKAGE HEIGHT: 0.33mm; PACKAGE LENGTH: 2.03mm; PACKAGE STYLE: SMTMeter; PACKAGE WIDTH: 1.27mm; PACKAGING: Tape and Reel; PINS: 2; POWER: 250mW; RATED TEMPERATURE: 70°C; REACH SVHC COMPLIANT: Yes; RESISTOR TYPE: FIXED RESISTOR; ROHS COMPLIANT: Yes; TECHNOLOGY: METAL STRIP; TEMPERATURE COEFFICIENT: 75ppm/°C; TERMINAL FINISH: Nickel; TERMINATION: Wraparound; TOLERANCE: 1%; ki_fp_filters: R_*
R38 R42 = -: ALTIUM_VALUE: 1MR; CASE/PACKAGE: 0805; JESD-609 CODE: e3; MANUFACTURER SERIES: TNPW; MAX OPERATING TEMPERATURE: 125°C; MIN OPERATING TEMPERATURE: -55°C; MOUNTING TECHNOLOGY: Surface Mount; PACKAGE SHAPE: Rectangular; PACKAGING: Tape and Reel; PINS: 2; POWER: 125mW; RATED TEMPERATURE: 70°C; REACH SVHC COMPLIANT: Yes; RESISTOR TYPE: FIXED RESISTOR; ROHS COMPLIANT: Yes; TECHNOLOGY: THIN FILM; TEMPERATURE COEFFICIENT: 25ppm/°C; TERMINAL FINISH: Tin; TERMINATION: Wraparound; TOLERANCE: 0.1%; WORKING VOLTAGE: 150V; ki_fp_filters: R_*
R39 R43 = -: ADDITIONAL FEATURE: HIGH PRECISION; ALTIUM_VALUE: 226kR; CASE/PACKAGE: 0805; CONSTRUCTION: Chip; MAX OPERATING TEMPERATURE: 155°C; MIN OPERATING TEMPERATURE: -55°C; MOUNTING TECHNOLOGY: Surface Mount; PACKAGE HEIGHT: 0.5mm; PACKAGE LENGTH: 2mm; PACKAGE STYLE: SMTMeter; PACKAGE WIDTH: 1.25mm; PACKAGING: Tape and Reel; PINS: 2; POWER: 125mW; RATED TEMPERATURE: 70°C; REACH SVHC COMPLIANT: Yes; RESISTOR TYPE: FIXED RESISTOR; ROHS COMPLIANT: Yes; TECHNOLOGY: THIN FILM; TEMPERATURE COEFFICIENT: 25ppm/°C; TERMINATION: Wraparound; TOLERANCE: 0.1%; WORKING VOLTAGE: 150V; ki_fp_filters: R_*
R40 = -: ALTIUM_VALUE: 576kR; MANUFACTURER: Panasonic; ki_fp_filters: R_*
R44 = -: ki_fp_filters: R_*
R45 = -: ALTIUM_VALUE: 316kR; DATASHEET LINK: https://componentsearchengine.com/Datasheets/1/PCF0805-13-10KBT1.pdf; HEIGHT: 0.65mm; MANUFACTURER_NAME: TT Electronics; MOUSER PART NUMBER: 756-PCF0805R316KBT1; MOUSER PRICE/STOCK: https://www.mouser.com/Search/Refine.aspx?Keyword=756-PCF0805R316KBT1; ki_fp_filters: R_*
R46-R49 = -: ALTIUM_VALUE: 60.4R; CASE/PACKAGE: 0805; CONSTRUCTION: Rectangular; JESD-609 CODE: e3; MAX OPERATING TEMPERATURE: 155°C; MIN OPERATING TEMPERATURE: -55°C; MOUNTING TECHNOLOGY: Surface Mount; PACKAGE HEIGHT: 0.6mm; PACKAGE LENGTH: 2mm; PACKAGE SHAPE: Rectangular; PACKAGE STYLE: SMTMeter; PACKAGE WIDTH: 1.25mm; PACKAGING: Tape and Reel; PINS: 2; POWER: 125mW; RATED TEMPERATURE: 70°C; REACH SVHC COMPLIANT: Yes; REFERENCE STANDARD: AEC-Q200; RESISTOR TYPE: FIXED RESISTOR; ROHS COMPLIANT: Yes; TECHNOLOGY: METAL GLAZE/THICK FILM; TEMPERATURE COEFFICIENT: 100ppm/°C; TERMINAL FINISH: Nickel; TERMINATION: Wraparound; TOLERANCE: 1%; WORKING VOLTAGE: 150V; ki_fp_filters: R_*
R50 R51 R60 R65 R66 R75 R76 R85 R86 R95 R100 R101 = -: ALTIUM_VALUE: 0R; CASE/PACKAGE: 0805; CONSTRUCTION: Chip; JESD-609 CODE: e0; MAX OPERATING TEMPERATURE: 155°C; MIN OPERATING TEMPERATURE: -55°C; MOUNTING TECHNOLOGY: Surface Mount; PACKAGE HEIGHT: 0.45mm; PACKAGE LENGTH: 2mm; PACKAGE SHAPE: Rectangular; PACKAGE STYLE: SMTMeter; PACKAGE WIDTH: 1.25mm; PACKAGING: Tape and Reel; PINS: 2; POWER: 125mW; RATED TEMPERATURE: 70°C; REACH SVHC COMPLIANT: No; REFERENCE STANDARD: AEC-Q200; RESISTOR TYPE: FIXED RESISTOR; ROHS COMPLIANT: No; TECHNOLOGY: METAL GLAZE/THICK FILM; TERMINAL FINISH: Nickel; TERMINATION: Wraparound; ki_fp_filters: R_*
R52 R54 R61 R67 R69 R77 R79 R87 R89 R98 R103 R104 = -: ALTIUM_VALUE: 680R; MANUFACTURER: Vishay Dale; ki_fp_filters: R_*
R53 R55 R62 = -: ALTIUM_VALUE: 21kR; MANUFACTURER: Panasonic; ki_fp_filters: R_*
R56 R57 R63 R71 R72 R81 R82 R91 R92 R97 R106 R107 = -: CASE CODE (IMPERIAL): 0805; CASE CODE (METRIC): 2012; CASE/PACKAGE: 0805; COMPOSITION: Thick Film; CONTACT PLATING: Tin; DEPTH: 1.25mm; FEATURES: Automotive AEC-Q200; HEIGHT: 0.02inch; LEAD FREE: Lead Free; LENGTH: 2mm; MAX OPERATING TEMPERATURE: 155°C; MAX POWER DISSIPATION: 125mW; MILITARY STANDARD: Not; MIN OPERATING TEMPERATURE: -55°C; MOUNT: Surface Mount; NUMBER OF TERMINATIONS: 2; PACKAGE QUANTITY: 10; PACKAGING: Tape and Reel; POWER RATING: 125mW; RADIATION HARDENING: No; RESISTANCE: 10MR; TEMPERATURE COEFFICIENT: 100ppm/°C; TERMINATION: SMD/SMT; TOLERANCE: 5%; VOLTAGE RATING: 150V; VOLTAGE RATING (DC): 150V; WEIGHT: 0.000194oz; WIDTH: 0.049inch; ki_fp_filters: R_*
R58 R59 R64 R73 R74 R83 R84 R93 R94 R99 = -: ALTIUM_VALUE: 3.24kR; MANUFACTURER: Panasonic; ki_fp_filters: R_*
R68 R70 R78 R80 R88 R90 R96 = -: ALTIUM_VALUE: 1.74kR; MANUFACTURER: Panasonic; ki_fp_filters: R_*
R108 R109 = -: TEMPERATURE COEFFICIENT: 200ppm/°C; MAX POWER DISSIPATION: 400mW; MAX OPERATING TEMPERATURE: 155°C; CASE CODE (METRIC): 2012; HEIGHT - SEATED (MAX): 0.026inch; CASE CODE (IMPERIAL): 0805; POWER RATING: 400mW; TOLERANCE: 5%; SIZE CODE: 0805; SERIES: ESR; ROHS COMPLIANT: Yes; FEATURES: Automotive AEC-Q200; MIN OPERATING TEMPERATURE: -55°C; CASE/PACKAGE: 0805; LENGTH: 0.079inch; NUMBER OF TERMINATIONS: 2; RESISTOR TYPE: Thick Film; WIDTH: 0.049inch; LEAD FREE: Lead Free; RESISTANCE: 300R; PACKAGE QUANTITY: 1; PACKAGING: Tape and Reel; HEIGHT: 0.026inch; ki_fp_filters: R_*
T1-T22 = -: Description: Generic connector, single row, 01x01, script generated (kicad-library-utils/schlib/autogen/connector/); ki_fp_filters: Connector*:*_1x??_*
U1 = -: ki_fp_filters: FP-LQFP32-5V-IPC_B
U2 = -: ARROW PRICE/STOCK: https://www.arrow.com/en/products/stm32h7b0rbt6/stmicroelectronics?region=nac; DATASHEET LINK: https://www.mouser.com/datasheet/2/389/dm00674684-1799600.pdf; HEIGHT: 1.6mm; MANUFACTURER_NAME: STMicroelectronics; MOUSER PART NUMBER: 511-STM32H7B0RBT6; MOUSER PRICE/STOCK: https://www.mouser.co.uk/ProductDetail/STMicroelectronics/STM32H7B0RBT6?qs=xZ%2FP%252Ba9zWqZ2tzX90GObZw%3D%3D; ki_fp_filters: C:_Users_Public_Documents_Altium_PCB_Project_SamacSys.PcbLib_QFP50P1200X1200X160-64N
U3 U4 = -: COMPONENTLINK1DESCRIPTION: Manufacturer URL; COMPONENTLINK1URL: http://www.linear.com/; COMPONENTLINK2DESCRIPTION: Datasheet; COMPONENTLINK2URL: http://cds.linear.com/docs/en/datasheet/3970fb.pdf; COMPONENTLINK3DESCRIPTION: Package Specification; COMPONENTLINK3URL: http://cds.linear.com/docs/en/packaging/05081661_F_MS.pdf; DATASHEETVERSION: Rev. B; FREQUENCY ADJUST RANGE: 200kHz - 2.2MHz; MANUFACTURER: Linear Technology; MOUNTING TECHNOLOGY: Surface Mount; NUMBER OF OUTPUTS: 1; PACKAGEDESCRIPTION: 10-Pin Plastic MSOP, Body 3 x 3 mm, Pitch 0.5 mm; PACKAGEREFERENCE: MS-10; PACKAGEVERSION: Rev. E, 06/2010; PACKING: Tape and Reel; ROHS: TRUE; ki_fp_filters: LT-MS-10_N
U5-U10 = -: ki_fp_filters: FP-D0008A-IPC_A
Y1 = -: DATASHEET LINK: https://ecsxtal.com/store/pdf/ECS-7050MV.pdf; HEIGHT: 1.7mm; MANUFACTURER_NAME: ECS; MOUSER PART NUMBER: 520-ECS7050MV080BNTR; MOUSER PRICE/STOCK: https://www.mouser.co.uk/ProductDetail/ECS/ECS-7050MV-080-BN-TR?qs=IS%252B4QmGtzzooiuQ0rUomGw%3D%3D; ki_fp_filters: C:_Users_Public_Documents_Altium_PCB_Project_SamacSys.PcbLib_ECS7050MV080BNTR
Y2 = -: CASE/PACKAGE: SMD/SMT; DEPTH: 2.5mm; FREQUENCY: 25MHz; FREQUENCY STABILITY: 50ppm; HEIGHT: 0.047inch; LEAD FREE: Lead Free; LENGTH: 3.2mm; LOAD CAPACITANCE: 15pF; MAX OPERATING TEMPERATURE: 85°C; MAX SUPPLY CURRENT: 13mA; MAX SUPPLY VOLTAGE: 3.465V; MIN OPERATING TEMPERATURE: -40°C; MIN SUPPLY VOLTAGE: 3.135V; MOUNT: Surface Mount; NUMBER OF PINS: 4; OPERATING FREQUENCY: 25 MHz; OPERATING SUPPLY VOLTAGE: 3.3V; PACKAGE QUANTITY: 1000; PACKAGING: Tape and Reel; RADIATION HARDENING: No; SERIES: ASE; TERMINATION: SMD/SMT; WIDTH: 2.5mm; ki_fp_filters: FP-ASE-MFG

## Footprints (pads in the part's own frame, mm; a bottom-side part is the same pattern mirrored in y, then rotated)
